# Altium PCB C210.PcbDoc (part 7 of 8) (continued)
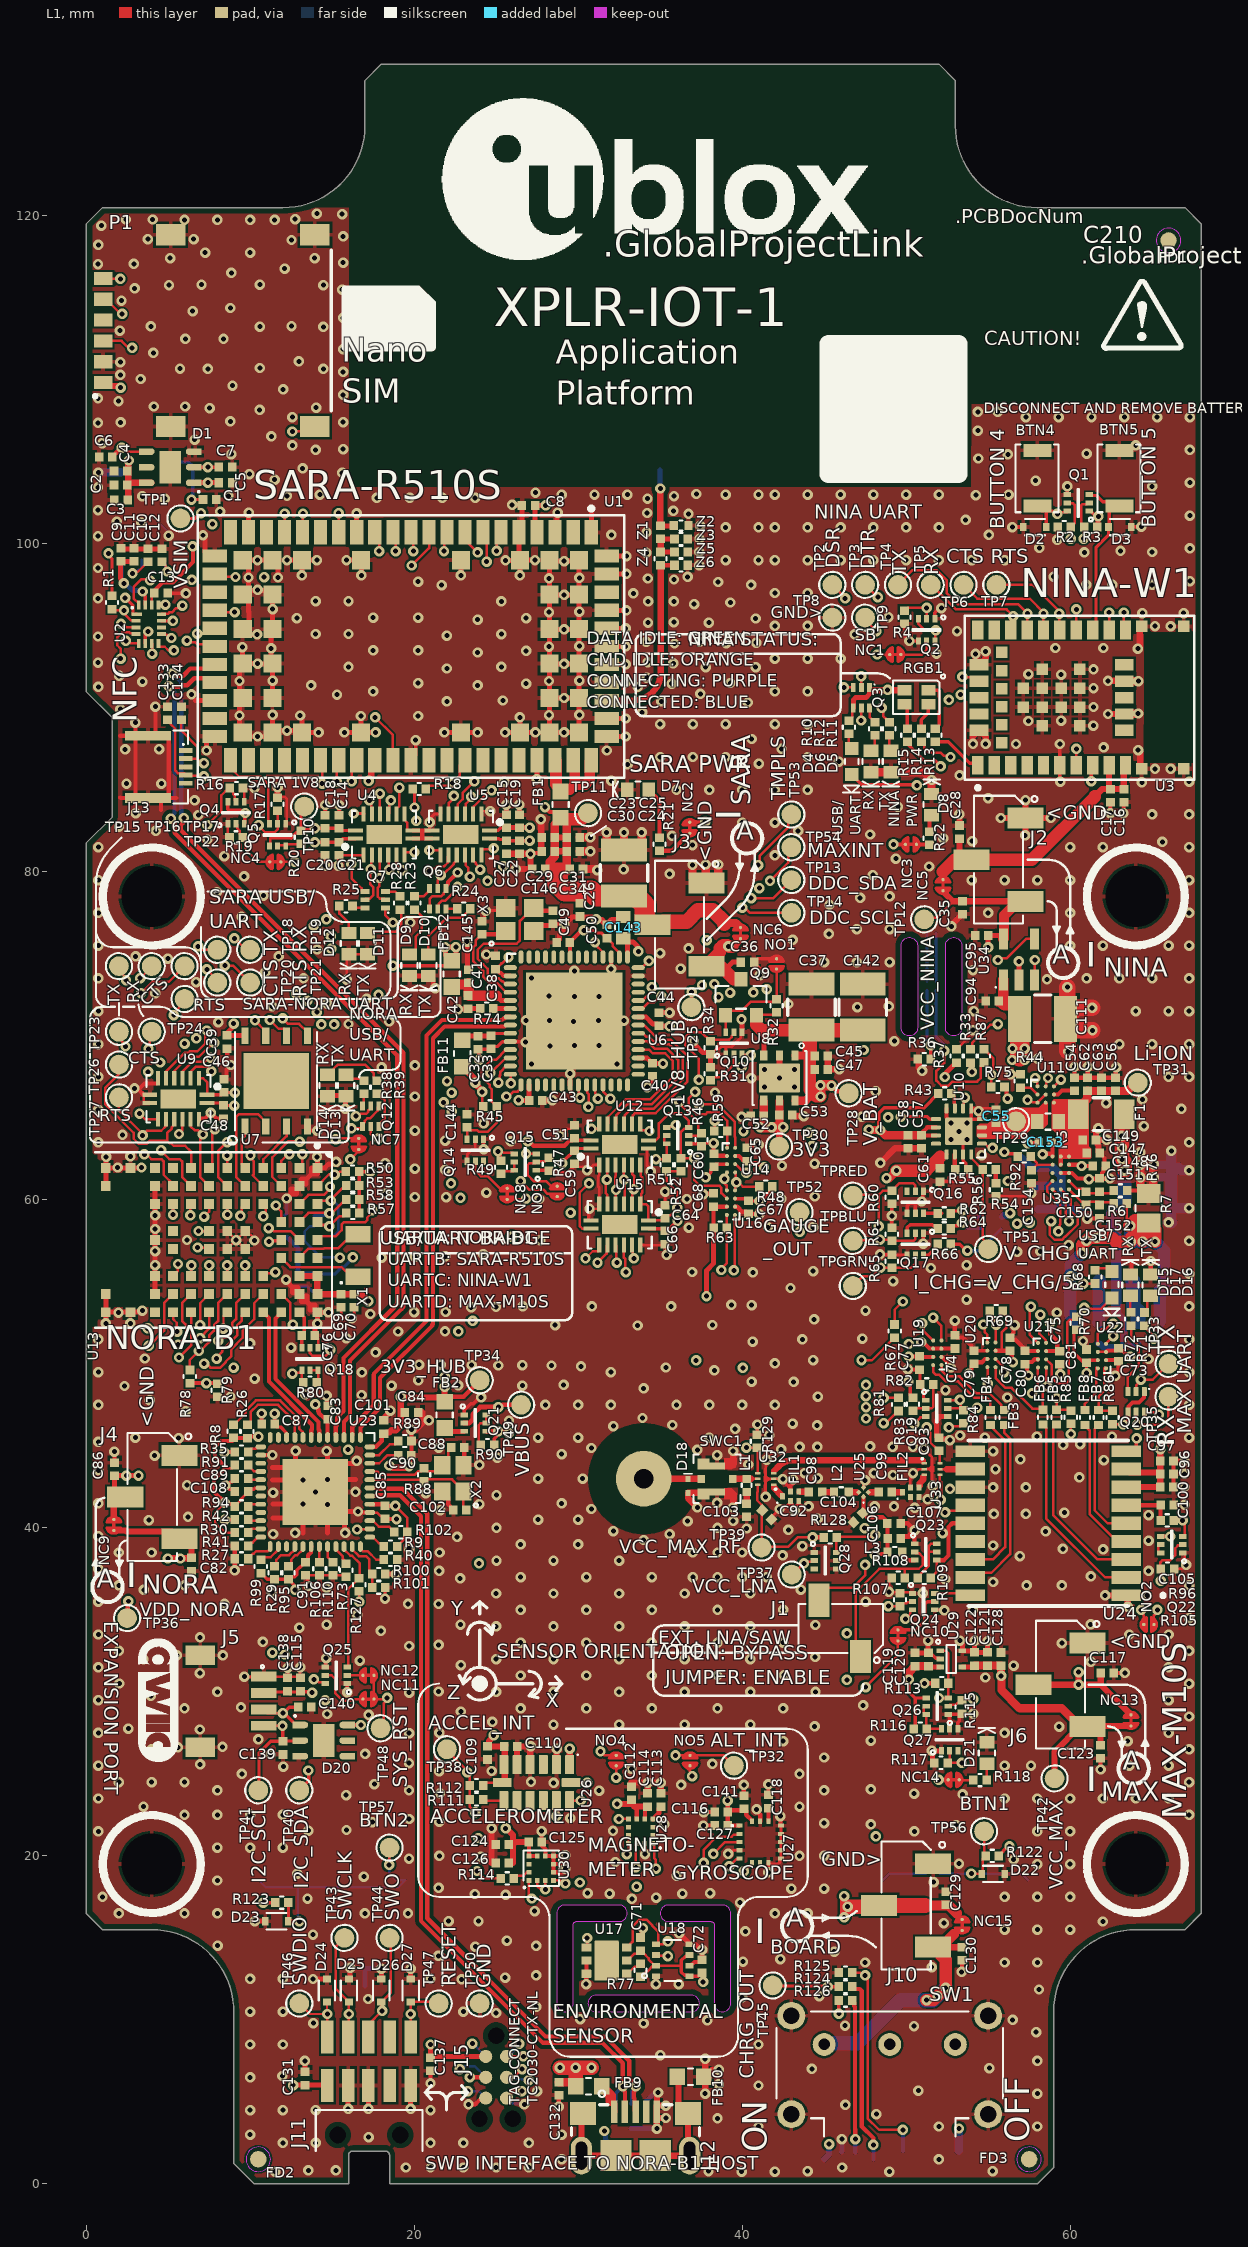
[diagram p0: L1 view]
## Polygon pours and split planes (outlines as drawn) (continued)
GND on L3 "NONET_L-01_P-001" (solid, remove dead copper, pour order 24): 68,103.5 68,108.465 54,108.465 54,103.45 16,103.45 16,120.493 1.096,120.596 0.4,119.9 0.4,16.1 1,15.5 4,15.5 cw(c4,10.5) 9,10.5 9,1.25 9.85,0.4 16,0.4 16,1.75 cw(c16.25,1.75) 16.25,2 18.25,2 cw(c18.25,1.75) 18.5,1.75 18.5,0.4 58.4,0.4 59,1 59,10.5 cw(c64,10.5) 64,15.5 67,15.5 67.6,16.1 67.6,86.627 64.462,86.623 64.485,94.625 68,94.626
3V3 on L5 "NONET_L-01_P-001" (solid, remove dead copper, pour order 25): 0.4,82.825 0.4,16.1 1,15.5 4,15.5 cw(c4,10.5) 9,10.5 9,1.25 9.85,0.4 16,0.4 16,1.75 cw(c16.25,1.75) 16.25,2 18.25,2 cw(c18.25,1.75) 18.5,1.75 18.5,0.4 58.4,0.4 59,1 59,10.5 cw(c64,10.5) 64,15.5 67,15.5 67.6,16.1 67.6,82.825
GND on L5 "NONET_L-01_P-001" (solid, pour order 29): 1.6,89.4 0.4,90.6 0.4,119.9 1,120.5 16,120.5 16,103.45 54,103.446 54,108.475 67.6,108.475 67.6,94.625 64.475,94.625 64.475,86.632 67.6,86.632 67.6,83.586 1.6,83.586
3V3_HUB on L5 "NONET_L-01_P-001" (solid, pour order 17): 18.25,72.572 18.25,76.885 18.7,77.444 30.364,77.444 31.625,76.183 35.984,71.824 35.984,69.646 29.578,63.24 26.551,63.24
3V3_HUB on L5 "NONET_L-01_P-001" (solid, pour order 18): 8.211,45.811 11.175,48.775 19.575,48.775 19.8,48.55 19.8,40.4 17.125,37.725 12.364,37.725 8.211,41.878
GND on L1 "NONET_L-01_P-001" (solid, remove dead copper, pour order 21): 68,103.5 68,108.5 54.014,108.5 53.979,103.45 16,103.45 16,120.493 1.096,120.596 0.4,119.9 0.4,16.1 1,15.5 4,15.5 cw(c4,10.5) 9,10.5 9,1.25 9.85,0.4 16,0.4 16,1.75 cw(c16.25,1.75) 16.25,2 18.25,2 cw(c18.25,1.75) 18.5,1.75 18.5,0.4 58.4,0.4 59,1 59,10.5 cw(c64,10.5) 64,15.5 67,15.5 67.6,16.1 67.6,86.627 64.462,86.623 64.485,94.625 68,94.626
GND on L6 "NONET_L-01_P-001" (solid, remove dead copper, pour order 22): 67.6,94.626 67.6,119.9 67.345,120.155 54,120.231 54,103.45 16,103.45 16,120.493 1.096,120.596 0.4,119.9 0.4,16.1 1,15.5 4,15.5 cw(c4,10.5) 9,10.5 9,1.25 9.85,0.4 16,0.4 16,1.75 cw(c16.25,1.75) 16.25,2 18.25,2 cw(c18.25,1.75) 18.5,1.75 18.5,0.4 58.4,0.4 59,1 59,10.5 cw(c64,10.5) 64,15.5 67,15.5 67.6,16.1 67.6,86.627 64.462,86.623 64.485,94.625
GND on L2 "NONET_L-01_P-001" (solid, remove dead copper, pour order 23): 68,103.5 68,108.465 54,108.465 54,103.45 16,103.45 16,120.493 1.096,120.596 0.4,119.9 0.4,16.1 1,15.5 4,15.5 cw(c4,10.5) 9,10.5 9,1.25 9.85,0.4 16,0.4 16,1.75 cw(c16.25,1.75) 16.25,2 18.25,2 cw(c18.25,1.75) 18.5,1.75 18.5,0.4 58.4,0.4 59,1 59,10.5 cw(c64,10.5) 64,15.5 67,15.5 67.6,16.1 67.6,86.627 64.462,86.623 64.485,94.625 68,94.626
GND on L4 "NONET_L-01_P-001" (solid, remove dead copper, pour order 26): 68,103.5 68,108.465 54,108.465 54,103.45 16,103.45 16,120.493 1.096,120.596 0.4,119.9 0.4,16.1 1,15.5 4,15.5 cw(c4,10.5) 9,10.5 9,1.25 9.85,0.4 16,0.4 16,1.75 cw(c16.25,1.75) 16.25,2 18.25,2 cw(c18.25,1.75) 18.5,1.75 18.5,0.4 58.4,0.4 59,1 59,10.5 cw(c64,10.5) 64,15.5 67,15.5 67.6,16.1 67.6,86.627 64.462,86.623 64.485,94.625 68,94.626

## Keep-outs
Keep-Out Layer:
  rectangle: 204.513,-5.728 209.339,-3.315
  lines w0.2: 227.881,-5.728 204.513,-5.728 204.513,-3.315 227.881,-3.315
  text "Routing Keepout Layer" at 211.117,-5.042 h1.02

## Other copper
L1:
  rectangle: 204.513,27.571 209.339,29.984
  pour cut-out: 38.8,11.5 cw(c38.8,11) 39.3,11 cw(c38.809,11) 38.809,10.509 29.191,10.509 cw(c29.191,11) 28.7,11 cw(c29.2,11) 29.2,11.5
  pour cut-out: 38.8,17 cw(c38.8,16.5) 39.3,16.5 cw(c38.809,16.5) 38.809,16.009 29.191,16.009 cw(c29.191,16.5) 28.7,16.5 cw(c29.2,16.5) 29.2,17
  pour cut-out: 53.4,75.5 ccw(c52.9,75.5) 52.9,76 50.199,76 ccw(c50.174,75.525) 49.699,75.55 49.699,70.5 ccw(c50.199,70.5) 50.199,70 52.9,70 ccw(c52.9,70.5) 53.4,70.5
  pour cut-out: 34,46.381 ccw(c34,43) 30.619,43 ccw(c34,43) 34,39.619 ccw(c34,43) 37.381,43 ccw(c34,43)
  pour cut-out: 63.1,61.025 63.1,60.176 64.1,60.176 64.1,61.031 63.09,61.031
  region net NetC55_1: 54.48,64.655 54.318,64.493 54.318,63.864 54.47,63.712 57.006,63.712 57.623,64.33 58.361,64.33 58.635,64.604 58.635,65.922 58.51,66.047 58.385,65.922 58.085,65.622 56.437,65.622 55.754,64.939 55.25,64.939 54.967,64.655
  region net NetC56_2: 59.297,63.94 58.864,64.3 58.866,65.983 59.005,66.122 61.127,66.122 61.127,63.278 61.276,63.129 61.276,62.554 61.232,62.51 59.297,62.517
  text ".Layer_Name" at 211.117,28.257 h1.02
L3:
  rectangle: 204.513,21.526 209.339,23.939
  pour cut-out: 29.2,17 ccw(c29.2,16.5) 28.7,16.5 28.7,11 ccw(c29.2,11) 29.2,10.5 38.8,10.5 ccw(c38.8,11) 39.3,11 39.3,16.5 ccw(c38.8,16.5) 38.8,17
  pour cut-out: 53.4,75.5 ccw(c52.9,75.5) 52.9,76 50.199,76 ccw(c50.174,75.525) 49.699,75.55 49.699,70.5 ccw(c50.199,70.5) 50.199,70 52.9,70 ccw(c52.9,70.5) 53.4,70.5
  pour cut-out: 34,46.381 ccw(c34,43) 30.619,43 ccw(c34,43) 34,39.619 ccw(c34,43) 37.381,43 ccw(c34,43)
  text ".Layer_Name" at 211.117,22.212 h1.02
L4:
  rectangle: 204.513,18.529 209.339,20.942
  pour cut-out: 29.2,17 ccw(c29.2,16.5) 28.7,16.5 28.7,11 ccw(c29.2,11) 29.2,10.5 38.8,10.5 ccw(c38.8,11) 39.3,11 39.3,16.5 ccw(c38.8,16.5) 38.8,17
  pour cut-out: 53.4,75.5 ccw(c52.9,75.5) 52.9,76 50.199,76 ccw(c50.174,75.525) 49.699,75.55 49.699,70.5 ccw(c50.199,70.5) 50.199,70 52.9,70 ccw(c52.9,70.5) 53.4,70.5
  pour cut-out: 34,46.381 ccw(c34,43) 30.619,43 ccw(c34,43) 34,39.619 ccw(c34,43) 37.381,43 ccw(c34,43)
  text ".Layer_Name" at 211.117,19.215 h1.02
L2:
  rectangle: 204.513,24.574 209.339,26.987
  pour cut-out: 32.5,17 cw(c32.5,16.5) 33,16.5 cw(c32.5,16.5) 32.5,16 29.9,16 ccw(c29.9,15.8) 29.7,15.8 29.7,12.3 ccw(c30.5,12.3) 30.5,11.5 37.5,11.5 ccw(c37.5,12.3) 38.3,12.3 38.3,15.8 ccw(c38.1,15.8) 38.1,16 35.5,16 cw(c35.5,16.5) 35,16.5 cw(c35.5,16.5) 35.5,17 38.8,17 cw(c38.8,16.5) 39.3,16.5 39.3,11 cw(c38.8,11) 38.8,10.5 29.2,10.5 cw(c29.2,11) 28.7,11 28.7,16.5 cw(c29.2,16.5) 29.2,17
  pour cut-out: 53.4,75.5 ccw(c52.9,75.5) 52.9,76 50.199,76 ccw(c50.174,75.525) 49.699,75.55 49.699,70.5 ccw(c50.199,70.5) 50.199,70 52.9,70 ccw(c52.9,70.5) 53.4,70.5
  pour cut-out: 34,46.381 ccw(c34,43) 30.619,43 ccw(c34,43) 34,39.619 ccw(c34,43) 37.381,43 ccw(c34,43)
  text ".Layer_Name" at 211.117,25.26 h1.02
L5:
  rectangle: 204.513,15.43 209.339,17.843
  pour cut-out: 29.2,17 ccw(c29.2,16.5) 28.7,16.5 28.7,11 ccw(c29.2,11) 29.2,10.5 38.8,10.5 ccw(c38.8,11) 39.3,11 39.3,16.5 ccw(c38.8,16.5) 38.8,17
  pour cut-out: 53.4,75.5 ccw(c52.9,75.5) 52.9,76 50.199,76 ccw(c50.174,75.525) 49.699,75.55 49.699,70.5 ccw(c50.199,70.5) 50.199,70 52.9,70 ccw(c52.9,70.5) 53.4,70.5
  pour cut-out: 34,46.381 ccw(c34,43) 30.619,43 ccw(c34,43) 34,39.619 ccw(c34,43) 37.381,43 ccw(c34,43)
  text ".Layer_Name" at 211.117,16.116 h1.02
L6:
  rectangle: 204.513,12.458 209.339,14.871
  pour cut-out: 29.2,17 ccw(c29.2,16.5) 28.7,16.5 28.7,11 ccw(c29.2,11) 29.2,10.5 38.8,10.5 ccw(c38.8,11) 39.3,11 39.3,16.5 ccw(c38.8,16.5) 38.8,17
  pour cut-out: 53.4,75.5 ccw(c52.9,75.5) 52.9,76 50.199,76 ccw(c50.174,75.525) 49.699,75.55 49.699,70.5 ccw(c50.199,70.5) 50.199,70 52.9,70 ccw(c52.9,70.5) 53.4,70.5
  pour cut-out: 34,46.381 ccw(c34,43) 30.619,43 ccw(c34,43) 34,39.619 ccw(c34,43) 37.381,43 ccw(c34,43)
  text ".Layer_Name" at 211.117,13.144 h1.02
Multi-Layer:
  rectangle: 204.513,-8.776 209.339,-6.363
  lines w0.2: 204.513,-8.776 227.881,-8.776 227.881,-6.363 204.513,-6.363 204.513,-8.776
  text "Multilayer" at 211.117,-8.09 h0.5

## Silkscreen, mask and mechanical layers (free items; w line width, h text height)
Top Overlay:
  drawing of 229 lines, arcs and shapes, not listed
  text ".PCBDocNum" at 52.989,119.25 h1.5
  text "C210" at 60.785,118 h1.75
  text ".GlobalProjectLink" at 31.5,117 h2.7
  text ".GlobalProjectRevision" at 60.673,116.75 h1.75
  text "XPLR-IOT-1" at 24.868,112.5 h4
  text "CAUTION!" at 54.751,111.8 h1.5
  text "Nano / SIM" at 15.576,108.125 h2.5
  text "Application / Platform" at 28.625,108 h2.5
  text "DISCONNECT AND REMOVE BATTERY FROM BOARD (OPPOSITE SIDE) BEFORE PERFORMING ANY SOLDERING OPERATIONS" at 54.738,107.75 h1.1
  text "SARA-R510S" at 10.175,102.127 h3
  text "NINA UART" at 44.405,101.214 h1.5
  text "BUTTON 5" at 65.52,100.996 h1.5 r90
  text "BUTTON 4" at 56.286,100.9 h1.5 r90
  text "RTS" at 55.172,98.525 h1.5
  text "DSR" at 46.25,98.505 h1.5 r90
  text "CTS" at 52.449,98.5 h1.5
  text "DTR" at 48.4,98.45 h1.5 r90
  text "TX" at 50.309,98.105 h1.5 r90
  text "RX" at 52.276,98.099 h1.5 r90
  text "VSIM" at 6.486,97.25 h1.5 r90
  text "NINA-W1" at 57,96.164 h3
  text "GND>" at 41.75,95.211 h1.25
  text "SB" at 46.875,93.836 h1.25
  text "NINA STATUS:" at 36.717,93.5 h1.4
  text "DATA IDLE: GREEN / CMD IDLE: ORANGE / CONNECTING: PURPLE / CONNECTED: BLUE" at 30.519,89.7 h1.3
  text "NFC" at 3.561,89.091 h2.5 r90
  text "SARA PWR" at 33.119,85.75 h1.75
  text "SARA 1V8" at 9.862,84.925 h1.1
  text "TMPLS" at 42.925,84.375 h1.5 r90
  text "SARA" at 40.9,84.054 h2 r90
  text "RX" at 48.25,83.756 h1.1 r90
  text "TX" at 49.206,83.74 h1.1 r90
  text "I" at 40.449,83.104 h3 r90
  text "<GND" at 58.55,82.875 h1.5
  text "NINA / PWR" at 50.881,82.717 h1.1 r90
  text "USB/ / UART" at 47.46,82.217 h1.1 r90
  text "A" at 39.645,81.575 h2
  text "<GND" at 38.45,80.625 h1.5 r90
  text "MAXINT" at 43.975,80.6 h1.5
  text "DDC_SDA" at 44.021,78.627 h1.4
  text "DDC_SCL" at 44.081,76.525 h1.4
  text "SARA USB/ / UART" at 7.5,76.25 h1.5
  text "RX" at 13.75,75.08 h1.5 r90
  text "TX" at 12,74.904 h1.5 r90
  text "A" at 58.92,74 h2
  text "I" at 60.912,73.65 h3
  text "NINA" at 62.056,73.2 h2
  text "TX" at 17.5,72.455 h1.25 r90
  text "RX" at 16.375,72.43 h1.25 r90
  text "CTS" at 12,72.35 h1.5 r90
  text "RTS" at 13.75,72.35 h1.5 r90
  text "RX" at 3.475,71.98 h1.25 r90
  text "TX" at 2.3,71.878 h1.25 r90
  text "CTS" at 3.885,71.585 h1.25 r45
  text "SARA-NORA UART" at 9.55,71.35 h1.25
  text "RTS" at 6.525,71.3 h1.25
  text "RX" at 20.106,71.205 h1.25 r90
  text "TX" at 21.242,71.205 h1.25 r90
  text "VCC_NINA" at 51.988,70.326 h1.4 r90
  text "NORA  / USB/ / UART" at 16.033,68.25 h1.25
  text "Li-ION" at 63.888,68.221 h1.5
  text "RX" at 15.05,68.205 h1.25 r90
  text "TX" at 15.95,68.18 h1.25 r90
  text "CTS" at 2.575,68.05 h1.25
  text "1V8_HUB" at 36.787,65.742 h1.4 r90
  text "RTS" at 0.8,64.55 h1.25
  text "V_BAT" at 48.551,63.3 h1.5 r90
  text "3V3" at 43.065,62.325 h1.5
  text "USB/UART BRIDGE" at 17.895,57 h1.4
  text "RX" at 64.054,56.516 h1.1 r90
  text "TX" at 65.175,56.515 h1.1 r90
  text "GAUGE / _OUT" at 41.286,56.325 h1.4
  text "USB/ / UART" at 60.48,56.2 h1.1
  text "V_CHG" at 55.96,56 h1.5
  text "I_CHG=V_CHG/5" at 50.436,54.25 h1.5
  text "UARTA: NORA-B1 / UARTB: SARA-R510S / UARTC: NINA-W1 / UARTD: MAX-M10S" at 18.4,53.15 h1.3
  text "TX" at 66.726,50.591 h1.75 r90
  text "NORA-B1" at 1.174,50.409 h2.5
  text "3V3_HUB" at 17.93,49.15 h1.4
  text "<GND" at 4.425,46.123 h1.5 r90
  text "MAX UART" at 67.675,45.753 h1.5 r90
  text "RX" at 66.675,44.98 h1.75 r90
  text "VBUS" at 27.311,43.125 h1.5 r90
  text "VCC_MAX_RF" at 32.5,38.175 h1.4
  text "A" at 0.645,35.942 h2
  text "I" at 2.407,35.843 h3
  text "VCC_LNA" at 36.95,35.755 h1.4
  text "NORA" at 3.415,35.591 h2
  text "Y" at 22.272,34.36 h1.5
  text "VDD_NORA" at 3.265,34.325 h1.4
  text "EXPANSION PORT" at 0.8,34.299 h1.5 r270
  text ".Layer_Name" at 211.117,34.251 h1.02
  text "EXT. LNA/SAW" at 34.875,32.625 h1.4
  text "<GND" at 62.4,32.347 h1.5
  text "SENSOR ORIENTATION" at 25.029,31.75 h1.5
  text "OPEN: BYPASS / JUMPER: ENABLE" at 35.325,30.15 h1.5
  text "Z" at 22.03,29.25 h1.5
  text "X" at 28.03,28.75 h1.5
  text "ACCEL_INT" at 20.848,27.375 h1.5
  text "ALT_INT" at 38.074,26.375 h1.4
  text "A" at 63.222,24.869 h2
  text "SYS_RST" at 19.9,24.154 h1.5 r90
  text "I" at 60.937,23.379 h3
  text "MAX" at 61.883,22.979 h2
  text "BTN1" at 53.268,22.5 h1.4
  text "MAX-M10S" at 67.552,22.225 h2.5 r90
  text "ACCELEROMETER" at 20.995,21.675 h1.5
  text "BTN2" at 16.666,21.5 h1.4
  text "GND>" at 44.825,19.075 h1.5
  text "MAGNETO- / METER" at 30.578,18.45 h1.5
  text "I2C_SCL" at 11.255,18.325 h1.5 r90
  text "GYROSCOPE" at 35.723,18.25 h1.5
  text "I2C_SDA" at 13.85,17.988 h1.5 r90
  text "VCC_MAX" at 59.824,17.975 h1.4 r90
  text "SWCLK" at 16.511,16.05 h1.5 r90
  text "SWO" at 19.386,16.05 h1.5 r90
  text "A" at 42.703,15.279 h2
  text "I" at 40.746,14.134 h3
  text "BOARD" at 41.706,13.734 h1.5
  text "SWDIO" at 13.764,12.097 h1.5 r90
  text "RESET" at 22.836,12.05 h1.5 r90
  text "GND" at 24.967,11.937 h1.5 r90
  text "ENVIRONMENTAL / SENSOR" at 28.465,8.297 h1.5
  text "CHRG_OUT" at 41,6.404 h1.5 r90
  text "TAG-CONNECT / TC2030-CTX-NL" at 27.746,4.82 h1.1 r90
  text "OFF" at 58,2.55 h2.54 r90
  text "ON" at 42,1.925 h2.54 r90
  text "SWD INTERFACE TO NORA-B1 HOST" at 20.675,0.587 h1.4
Bottom Overlay:
  drawing of 485 lines, arcs and shapes, not listed
  text "RoHS" at 66.95,106.5 h2.54
  text "CAUTION!" at 19.199,102 h1.5
  text "LTE-M/NB-IOT CELLULAR ANTENNA" at 47.733,101.5 h1.75
  text "DISCONNECT AND REMOVE BATTERY FROM BOARD BEFORE PERFORMING ANY SOLDERING OPERATIONS" at 19.287,98.875 h1.1
  text "EMOO" at 55.268,70.75 h2 r270
  text "Li-ION" at 59.816,65.843 h3 r270
  text "RGB LED" at 56.829,59.921 h2
  text "LIGHT SENSOR" at 16.203,59.75 h2
  text "+5dBi RHCP GNSS ANTENNA" at 47.575,55.1 h2
  text "1570 - 1610MHz" at 40.064,53.575 h2
  text "In loving memory of Joakim Rydén - a dearly beloved friend and colleague." at 45.838,29.475 h2.5
  text "BUTTON 2" at 19.1,20.418 h2
  text "BUTTON 1" at 56.7,20.393 h2
  text ".GlobalProjectLink" at 38.198,17.81 h2.54
  text ".Layer_Name" at 211.117,7.15 h1.02
  text "XPLR-IOT-1" at 41.909,6.425 h3.81
  text "TAG-CONNECT / TC2030-CTX-NL" at 22.38,4.825 h1.1 r270
  text "SWD INTERFACE TO NORA-B1 HOST" at 20.686,3.8 h1.4
  text "SYSTEM  / RESET" at 56.188,3.725 h1.5
  text "RED: CHRG" at 45.945,2.799 h1.5 r270
  text "GRN: PWR" at 47.069,2.701 h1.5 r270
Top Paste:
  rectangle: 204.513,36.563 209.339,38.976
  region: 30.201,0.52 ccw(c30.201,1.22) 30.901,1.22 30.901,2.22 ccw(c30.201,2.22) 30.201,2.92 29.176,2.92 ccw(c29.176,2.295) 28.551,2.295 28.551,1.07 ccw(c29.101,1.07) 29.101,0.52
  region: 36.799,0.52 cw(c36.799,1.22) 36.1,1.22 36.1,2.22 cw(c36.799,2.22) 36.799,2.92 37.825,2.92 cw(c37.825,2.295) 38.45,2.295 38.45,1.07 cw(c37.9,1.07) 37.9,0.52
  lines w0.2: 204.513,36.563 227.881,36.563 227.881,38.976 204.513,38.976 204.513,36.563
  text ".Layer_Name" at 211.117,37.249 h1.02
Bottom Paste:
  rectangle: 204.513,3.466 209.339,5.879
  lines w0.2: 204.513,3.466 227.881,3.466 227.881,5.879 204.513,5.879 204.513,3.466
  text ".Layer_Name" at 211.117,4.152 h1.02
Top Solder:
  rectangle: 204.513,30.568 209.339,32.981
  region: 47.05,42.325 47.245,42.52 47.555,42.52 47.75,42.325 47.75,42.03 47.521,41.801 47.274,41.801 47.05,42.025
  region: 0.425,115.05 0.425,115.125 1.675,115.125 1.675,115.05
  lines w0.2: 204.513,30.568 204.513,32.981 227.881,32.981 227.881,30.568 204.513,30.568
  text ".Layer_Name" at 211.117,31.254 h1.02
Bottom Solder:
  rectangle: 204.513,9.461 209.339,11.874
  lines w0.2: 204.513,9.461 227.881,9.461 227.881,11.874 204.513,11.874 204.513,9.461
  text ".Layer_Name" at 211.117,10.147 h1.02
Drill Guide:
  rectangle: 204.513,0.469 209.339,2.882
  lines w0.2: 204.513,0.469 204.513,2.882 227.881,2.882 227.881,0.469 204.513,0.469
  text ".Layer_Name" at 211.117,1.155 h1.02
Mechanical 1:
  circle w0.127: c10,125.5 r2.5
  circle w0.127: c58.053,125.5 r2.5
  circle w0.127: c3.5,9.5 r2.5
  circle w0.127: c63.5,9.5 r2.5
  rectangle: 204.513,63.551 209.339,65.964
  lines w0.2: 204.513,63.551 204.513,65.964 227.881,65.964 227.881,63.551 204.513,63.551
  text ".Layer_Name" at 211.117,64.237 h1.02
Border & Title:
  drawing of 57 lines, arcs and shapes, not listed
  text "1" at -5.56,175.625 h1.78
  text "2" at 64.307,175.625 h1.78
  text "3" at 134.03,175.625 h1.78
  text "4" at 203.905,175.625 h1.78
  text "REVISION" at 184.912,169.723 h2.03
  text "REV" at 149.098,165.405 h1.52
  text "DESCRIPTION" at 160.02,165.405 h1.52
  text "DATE" at 209.804,165.405 h1.52
  text "BY" at 225.806,165.405 h1.52
  text ".ReleaseRev1" at 149.098,161.595 h1.27
  text ".ReleaseDesc1" at 160.02,161.595 h1.27
  text ".ReleaseBy1" at 224.536,161.595 h1.27
  text ".ReleaseDate1" at 207.772,161.341 h1.27
  text ".ReleaseRev2" at 149.098,157.785 h1.27
  text ".ReleaseDesc2" at 160.02,157.785 h1.27
  text ".ReleaseDate2" at 207.772,157.785 h1.27
  text ".ReleaseBy2" at 224.536,157.785 h1.27
  text ".ReleaseRev3" at 149.098,153.975 h1.27
  text ".ReleaseDesc3" at 160.02,153.975 h1.27
  text ".ReleaseDate3" at 207.772,153.975 h1.27
  text ".ReleaseBy3" at 224.536,153.975 h1.27
  text ".ReleaseRev4" at 149.098,150.165 h1.27
  text ".ReleaseDesc4" at 160.02,150.165 h1.27
  text ".ReleaseDate4" at 207.772,150.165 h1.27
  text ".ReleaseBy4" at 224.536,150.165 h1.27
  text "A" at -37.979,149.768 h1.78
  text "A" at 236.341,149.768 h1.78
  text "B" at -37.979,95.793 h1.78
  text "B" at 236.341,95.793 h1.78
  text "LAYER USAGE" at 205.783,67.373 h2.03
  text "C" at -37.979,41.818 h1.78
  text "C" at 236.341,41.818 h1.78
  text "D" at -37.979,-12.03 h1.78
  text "D" at 236.341,-12.03 h1.78
  text "PROJECT:" at 158.947,-15.282 h1.27
  text "ENGINEER:" at 120.441,-15.307 h1.27
  text ".ProjectEngineer" at 132.08,-16.967 h1.78
  text ".GlobalProjectName" at 169.926,-16.967 h2.03
  text "PCB NAME:" at 158.82,-20.717 h1.27
  text "DATE:" at 120.517,-20.819 h1.27
  text "REV:" at 212.135,-21.047 h1.27
  text ".GlobalProjectRevision" at 219.384,-22.942 h2.03
  text ".GlobalReleaseDate" at 127.762,-23.063 h1.78
  text ".PCBName" at 169.926,-23.063 h2.03
  text "DWG NO:" at 120.65,-27.127 h1.27
  text "FILE NAME:" at 158.75,-27.127 h1.27
  text "SCALE:" at 212.008,-27.321 h1.27
  text "CONFIDENTIAL" at 91.042,-29.254 h2.03
  text ".Pcb_File_Name_No_Path" at 161.036,-29.921 h1.52
  text "1:1" at 220.72,-30.039 h1.27
  text ".PCBDocNum" at 127.254,-30.175 h1.52
  text "1" at -5.56,-35.195 h1.78
  text "2" at 64.307,-35.195 h1.78
  text "3" at 134.03,-35.195 h1.78
  text "4" at 203.905,-35.195 h1.78
Fabrication Notes:
  rectangle: 204.513,60.667 209.339,63.08
  lines w0.127: -34.804,137 80.041,137 80.041,173.974 ; 60.825,109.225 67.725,109.225 67.725,117.525 65.075,117.525 65.075,120.175 60.825,120.175 60.825,109.225
  lines w0.2: 204.513,60.667 204.513,63.08 227.881,63.08 227.881,60.667 204.513,60.667
  lines w0.203: -19.325,50.396 -0.047,50.396 ; -19.325,64.596 0.003,64.596 ; 9,-10 9,0 ; 17,129.25 17,136 ; 53,129.25 53,136 ; 59,-10 59,0 ; 67.872,83.6 87.2,83.6 ; 67.922,97.8 87.2,97.8
  lines w0.381: 89.831,8.73 100.243,8.73 123.858,8.73 145.696,8.73 162.202,8.73 176.677,8.73 ; 89.831,11.778 100.243,11.778 123.858,11.778 145.696,11.778 162.202,11.778 176.677,11.778 ; 89.831,14.826 100.243,14.826 123.858,14.826 145.696,14.826 162.202,14.826 176.677,14.826 ; 89.831,17.874 100.243,17.874 123.858,17.874 145.696,17.874 162.202,17.874 176.677,17.874 ; 89.831,20.922 100.243,20.922 123.858,20.922 145.696,20.922 162.202,20.922 176.677,20.922 ; 89.831,23.97 100.243,23.97 123.858,23.97 145.696,23.97 162.202,23.97 176.677,23.97 ; 89.831,27.018 100.243,27.018 123.858,27.018 145.696,27.018 162.202,27.018 176.677,27.018 ; 89.831,30.066 100.243,30.066 123.858,30.066 145.696,30.066 162.202,30.066 176.677,30.066 ; 89.831,33.114 100.243,33.114 123.858,33.114 145.696,33.114 162.202,33.114 176.677,33.114 ; 89.831,36.162 100.243,36.162 123.858,36.162 145.696,36.162 162.202,36.162 176.677,36.162 ; 89.831,39.21 100.243,39.21 123.858,39.21 145.696,39.21 162.202,39.21 176.677,39.21 ; 89.831,42.258 100.243,42.258 123.858,42.258 145.696,42.258 162.202,42.258 176.677,42.258 ; 89.831,45.306 100.243,45.306 123.858,45.306 145.696,45.306 162.202,45.306 176.677,45.306 ; 89.831,48.354 100.243,48.354 123.858,48.354 145.696,48.354 162.202,48.354 176.677,48.354 ; 89.831,51.402 176.677,51.402 ; 100.243,54.45 100.243,5.682 ; 123.858,54.45 123.858,5.682 ; 145.696,54.45 145.696,5.682 ; 162.202,54.45 162.202,5.682 ; 100.243,5.682 89.831,5.682 89.831,54.45 176.677,54.45 176.677,5.682 162.202,5.682 ; 100.243,5.682 123.858,5.682 ; 123.858,5.682 145.696,5.682 ; 145.696,5.682 162.202,5.682
  text "Fabrication Notes:" at -33,170.5 h1.78
  text "1. Fabricate to meet or exceed IPC 6011/6012 Class 2, as definied in IPC-2221" at -33,168 h1.27
  text "2. Prepreg Material: High-Tg FR4 with TG >= 170, TD >= 340" at -33,166 h1.27
  text "3. Minimum trace width is 0.127mm, minimum spacing is 0.127mm" at -33,164 h1.27
  text "4. Board finish: Electroless Nickel, Immersion Gold (ENIG)" at -33,162 h1.27
  text "5. Flammability: Materials to meet UL94V-0 specification" at -33,160 h1.27
  text "6. Apply gloss finish LPI Soldermask (Green) on both sides (minimum thickness 10um)" at -33,158 h1.27
  text "7. Silkscreen on both sides using white epoxy ink or equivalent," at -33,156 h1.27
  text "registration to be 10mil, clear silkscreen from all exposed pads" at -29.5,154 h1.27
  text "8. The fabricated board shall be RoHS compliant" at -33,152 h1.27
  text "9. Supplier to add date code, UL marking, flammability rating, and lead-free marking" at -33,150 h1.27
  text "on bottom silkscreen layer in the indicated area" at -29.5,148 h1.27
  text "10. Individual PCBs to be smooth and free of any fiberglass shards or sharp features" at -34,146 h1.27
  text "after de-paneling (singulation)" at -29.5,144 h1.27
  text "No panel tabs or V-score /  in this area" at 19.75,130.5 h1.27
  text "Supplier to add date code, flammability rating, UL marking, and Pb-free marking here" at 61.075,119.925 h0.46 r270
  text "No panel tabs /  in this area" at 70.125,88.825 h1.27
  text ".Layer_Name" at 211.117,61.353 h1.02
  text "6 Layer PCB 1.6mm +/- 10% Finished Thickness" at 90.525,56.5 h1.52
  text "No panel tabs /  in this area" at -17.725,55.05 h1.27
  text "Layer" at 91.609,52.164 h1.52
  text "Name" at 102.021,52.164 h1.52
  text "Material" at 125.636,52.164 h1.52
  text "Thickness" at 147.474,52.164 h1.52
  text "Constant" at 163.98,52.164 h1.52
  text "Top Overlay" at 102.021,49.116 h1.52
  text "Top Solder" at 102.021,46.068 h1.52
  text "Solder Resist" at 125.636,46.068 h1.52
  text "0.010mm" at 147.474,46.068 h1.52
  text "3.5" at 163.98,46.068 h1.52
  text "1" at 91.609,43.02 h1.52
  text "L1" at 102.021,43.02 h1.52
  text "0.035mm" at 147.474,43.02 h1.52
  text "Dielectric 1" at 102.021,39.972 h1.52
  text "PP-023" at 125.636,39.972 h1.52
  text "0.218mm" at 147.474,39.972 h1.52
  text "4.5" at 163.98,39.972 h1.52
  text "2" at 91.609,36.924 h1.52
  text "L2" at 102.021,36.924 h1.52
  text "CF-004" at 125.636,36.924 h1.52
  text "0.035mm" at 147.474,36.924 h1.52
  text "Dielectric 2" at 102.021,33.876 h1.52
  text "Core-034" at 125.636,33.876 h1.52
  text "0.360mm" at 147.474,33.876 h1.52
  text "4.6" at 163.98,33.876 h1.52
  text "3" at 91.609,30.828 h1.52
  text "L3" at 102.021,30.828 h1.52
  text "CF-004" at 125.636,30.828 h1.52
  text "0.035mm" at 147.474,30.828 h1.52
  text "Dielectric 3" at 102.021,27.78 h1.52
  text "PP-021" at 125.636,27.78 h1.52
  text "0.180mm" at 147.474,27.78 h1.52
  text "4.7" at 163.98,27.78 h1.52
  text "4" at 91.609,24.732 h1.52
  text "L4" at 102.021,24.732 h1.52
  text "CF-004" at 125.636,24.732 h1.52
  text "0.035mm" at 147.474,24.732 h1.52
  text "Dielectric 4" at 102.021,21.684 h1.52
  text "Core-034" at 125.636,21.684 h1.52
  text "0.360mm" at 147.474,21.684 h1.52
  text "4.6" at 163.98,21.684 h1.52
  text "5" at 91.609,18.636 h1.52
  text "L5" at 102.021,18.636 h1.52
  text "CF-004" at 125.636,18.636 h1.52
  text "0.035mm" at 147.474,18.636 h1.52
  text "Dielectric 5" at 102.021,15.588 h1.52
  text "PP-023" at 125.636,15.588 h1.52
  text "0.218mm" at 147.474,15.588 h1.52
  text "4.5" at 163.98,15.588 h1.52
  text "6" at 91.609,12.54 h1.52
  text "L6" at 102.021,12.54 h1.52
  text "0.035mm" at 147.474,12.54 h1.52
  text "Bottom Solder" at 102.021,9.492 h1.52
  text "Solder Resist" at 125.636,9.492 h1.52
  text "0.010mm" at 147.474,9.492 h1.52
  text "3.5" at 163.98,9.492 h1.52
  text "Bottom Overlay" at 102.021,6.444 h1.52
  text "No panel tabs or V-score /  in this area" at 19,-5.5 h1.27
Rigid Outline:
  rectangle: 204.513,57.67 209.339,60.083
  lines w0.01: 28.7,11 ccw(c29.2,11) 29.2,10.5 ccw(c29.2,11) 29.7,11 29.7,15.8 cw(c29.9,15.8) 29.9,16 32.5,16 ccw(c32.5,16.5) 33,16.5 ccw(c32.5,16.5) 32.5,17 29.2,17 ccw(c29.2,16.5) 28.7,16.5 28.7,11 ; 30.6,11 cw(c31.1,11) 31.1,11.5 36.9,11.5 cw(c36.9,11) 37.4,11 cw(c36.9,11) 36.9,10.5 31.1,10.5 cw(c31.1,11) 30.6,11 ; 35,16.5 ccw(c35.5,16.5) 35.5,16 38.1,16 cw(c38.1,15.8) 38.3,15.8 38.3,11 ccw(c38.8,11) 38.8,10.5 ccw(c38.8,11) 39.3,11 39.3,16.5 ccw(c38.8,16.5) 38.8,17 35.5,17 ccw(c35.5,16.5) 35,16.5 ; 49.7,70.5 ccw(c50.2,70.5) 50.7,70.5 50.7,75.5 ccw(c50.2,75.5) 49.7,75.5 49.7,70.5 ; 52.4,70.5 ccw(c52.9,70.5) 53.4,70.5 53.4,75.5 ccw(c52.9,75.5) 52.4,75.5 52.4,70.5
  lines w0.127: 0,119.5 0,91 1.6,89.4 1.6,83.35 0,81.75 0,16.5 1,15.5 4,15.5 cw(c4,10.5) 9,10.5 9,1.25 10.25,0 ; 0,119.5 1,120.5 12,120.5 ccw(c12,125.5) 17,125.5 17,128.25 18,129.25 52,129.25 53,128.25 53,125.5 ccw(c58,125.5) 58,120.5 67,120.5 68,119.5 68,16.5 67,15.5 64,15.5 ccw(c64,10.5) 59,10.5 59,1 ; 16,0 16,1.75 cw(c16.25,1.75) 16.25,2 18.25,2 cw(c18.25,1.75) 18.5,1.75 18.5,0
  lines w0.15: 10.25,0 14,0 16,0 ; 58,0 59,1 ; 59,1 59,1
  lines w0.152: 18.5,0 58,0
  lines w0.2: 204.513,57.67 227.881,57.67 227.881,60.083 204.513,60.083 204.513,57.67
  text ".Layer_Name" at 211.117,58.356 h1.02
Ref Des Top:
  rectangle: 204.513,54.673 209.339,57.086
  lines w0.2: 204.513,54.673 227.881,54.673 227.881,57.086 204.513,57.086 204.513,54.673
  text ".Layer_Name" at 211.117,55.359 h0.5
  text "$Id: CDI_001_rigid_flex_v1.5.brd 3140 2014-06-26 15:58:28Z davisj $" at -173.551,-55.442 h0.5
Ref Des Bottom:
  rectangle: 204.513,51.625 209.339,54.038
  lines w0.2: 204.513,51.625 227.881,51.625 227.881,54.038 204.513,54.038 204.513,51.625
  text ".Layer_Name" at 211.117,52.311 h0.5
Assembly Top:
  circle w0.254: c63.413,35.879 r0.083
  rectangle: 204.513,48.678 209.339,51.091
  lines w0.2: 204.513,48.678 204.513,51.091 227.881,51.091 227.881,48.678 204.513,48.678
  text ".Layer_Name" at 211.117,49.364 h1.02
Assembly Bottom:
  rectangle: 204.513,45.681 209.339,48.094
  lines w0.2: 204.513,45.681 204.513,48.094 227.881,48.094 227.881,45.681 204.513,45.681
  text ".Layer_Name" at 211.117,46.367 h1.02
Courtyard Top:
  rectangle: 204.513,42.633 209.339,45.046
  lines w0.2: 204.513,42.633 204.513,45.046 227.881,45.046 227.881,42.633 204.513,42.633
  text ".Layer_Name" at 211.117,43.319 h1.02
Coutryard Bottom:
  rectangle: 204.513,39.585 209.339,41.998
  lines w0.2: 204.513,39.585 204.513,41.998 227.881,41.998 227.881,39.585 204.513,39.585
  text ".Layer_Name" at 211.117,40.271 h1.02